# KiCad board Panel3-copy.kicad_pcb (continued)
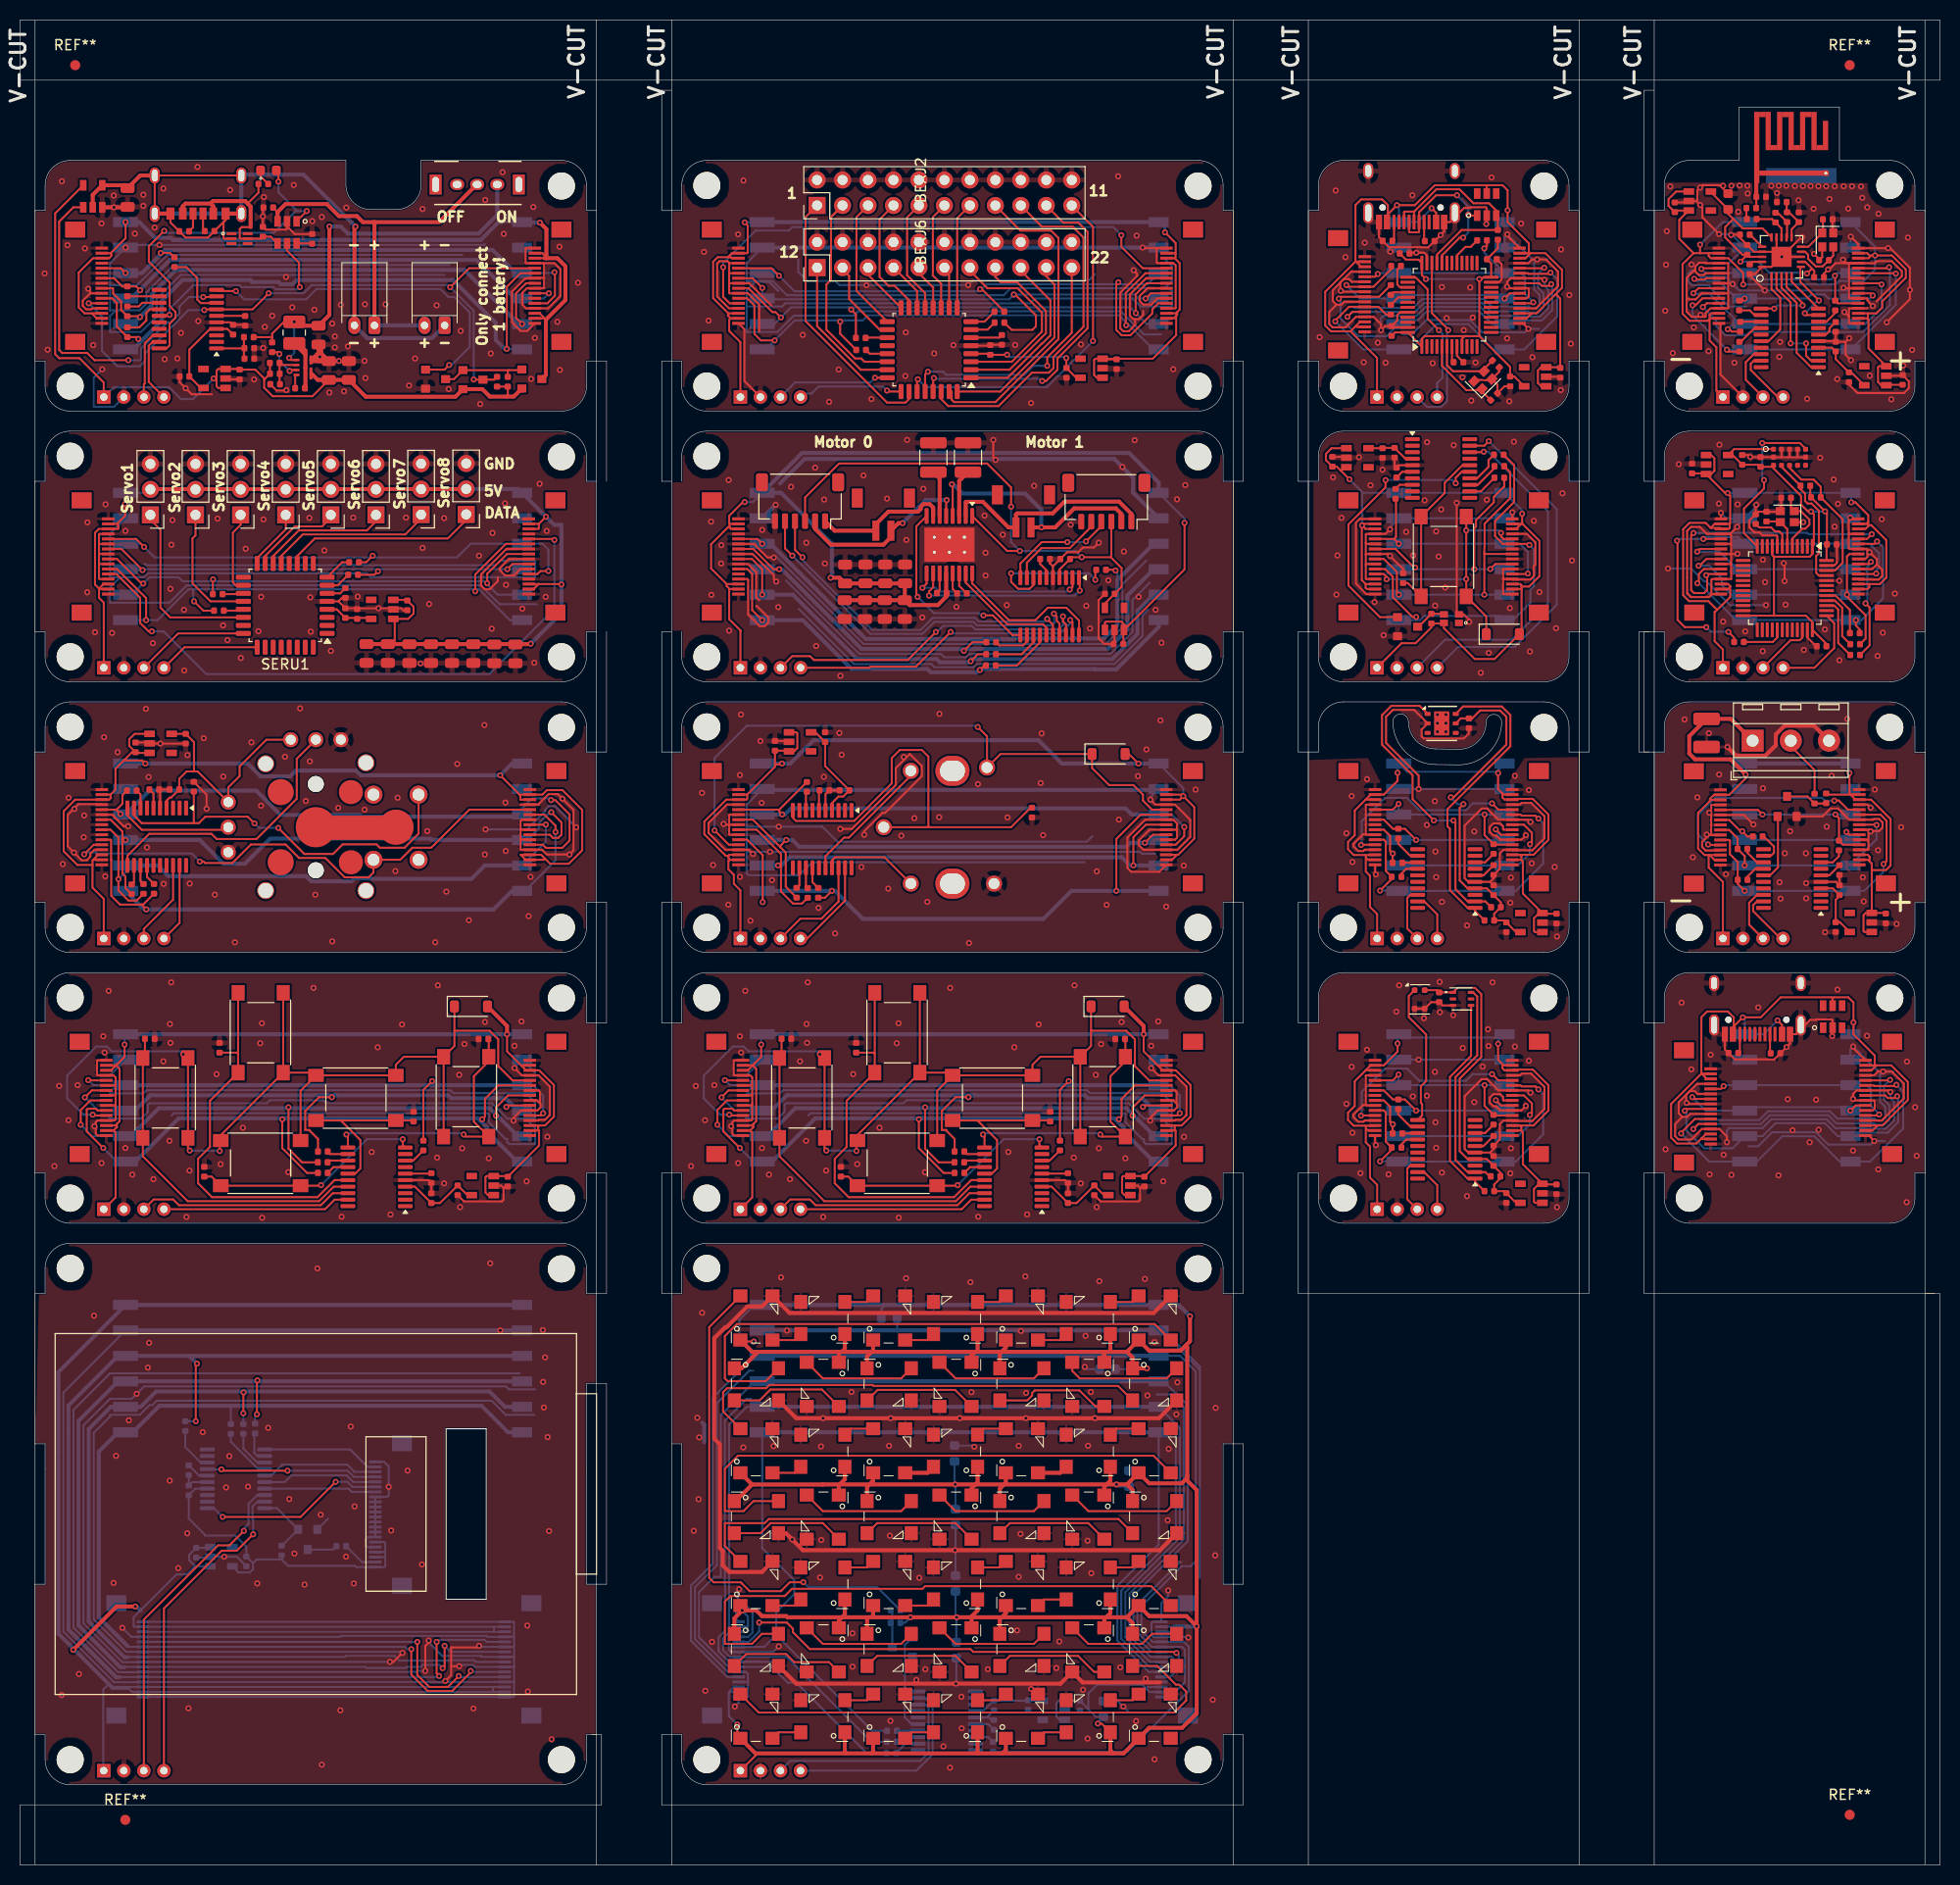
[diagram p0: board, top side]
## Placement (name value [footprint] x y rotation side) (continued)
MATD4  WS2812B  [LED_WS2812B_PLCC4_5.0x5.0mm_P3.2mm]  93.31 54.55 90 top
MATD5  WS2812B  [LED_WS2812B_PLCC4_5.0x5.0mm_P3.2mm]  99.93 54.55 0 top
MATD6  WS2812B  [LED_WS2812B_PLCC4_5.0x5.0mm_P3.2mm]  106.55 54.55 90 top
MATD7  WS2812B  [LED_WS2812B_PLCC4_5.0x5.0mm_P3.2mm]  113.17 54.55 0 top
MATD8  WS2812B  [LED_WS2812B_PLCC4_5.0x5.0mm_P3.2mm]  73.45 47.93 270 top
MATD9  WS2812B  [LED_WS2812B_PLCC4_5.0x5.0mm_P3.2mm]  80.07 47.93 180 top
MATD10  WS2812B  [LED_WS2812B_PLCC4_5.0x5.0mm_P3.2mm]  86.69 47.93 270 top
MATD11  WS2812B  [LED_WS2812B_PLCC4_5.0x5.0mm_P3.2mm]  93.31 47.93 180 top
MATD12  WS2812B  [LED_WS2812B_PLCC4_5.0x5.0mm_P3.2mm]  99.93 47.93 270 top
MATD13  WS2812B  [LED_WS2812B_PLCC4_5.0x5.0mm_P3.2mm]  106.55 47.93 180 top
MATD14  WS2812B  [LED_WS2812B_PLCC4_5.0x5.0mm_P3.2mm]  113.17 47.93 270 top
MATD15  WS2812B  [LED_WS2812B_PLCC4_5.0x5.0mm_P3.2mm]  73.45 41.31 0 top
MATD16  WS2812B  [LED_WS2812B_PLCC4_5.0x5.0mm_P3.2mm]  80.07 41.31 90 top
MATD17  WS2812B  [LED_WS2812B_PLCC4_5.0x5.0mm_P3.2mm]  86.69 41.31 0 top
MATD18  WS2812B  [LED_WS2812B_PLCC4_5.0x5.0mm_P3.2mm]  93.31 41.31 90 top
MATD19  WS2812B  [LED_WS2812B_PLCC4_5.0x5.0mm_P3.2mm]  99.93 41.31 0 top
MATD20  WS2812B  [LED_WS2812B_PLCC4_5.0x5.0mm_P3.2mm]  106.55 41.31 90 top
MATD21  WS2812B  [LED_WS2812B_PLCC4_5.0x5.0mm_P3.2mm]  113.17 41.31 0 top
MATD22  WS2812B  [LED_WS2812B_PLCC4_5.0x5.0mm_P3.2mm]  73.45 34.69 270 top
MATD23  WS2812B  [LED_WS2812B_PLCC4_5.0x5.0mm_P3.2mm]  80.07 34.69 180 top
MATD24  WS2812B  [LED_WS2812B_PLCC4_5.0x5.0mm_P3.2mm]  86.69 34.69 270 top
MATD25  WS2812B  [LED_WS2812B_PLCC4_5.0x5.0mm_P3.2mm]  93.31 34.69 180 top
MATD26  WS2812B  [LED_WS2812B_PLCC4_5.0x5.0mm_P3.2mm]  99.93 34.69 270 top
MATD27  WS2812B  [LED_WS2812B_PLCC4_5.0x5.0mm_P3.2mm]  106.55 34.69 180 top
MATD28  WS2812B  [LED_WS2812B_PLCC4_5.0x5.0mm_P3.2mm]  113.17 34.69 270 top
MATD29  WS2812B  [LED_WS2812B_PLCC4_5.0x5.0mm_P3.2mm]  73.45 28.07 0 top
MATD30  WS2812B  [LED_WS2812B_PLCC4_5.0x5.0mm_P3.2mm]  80.07 28.07 90 top
MATD31  WS2812B  [LED_WS2812B_PLCC4_5.0x5.0mm_P3.2mm]  86.69 28.07 0 top
MATD32  WS2812B  [LED_WS2812B_PLCC4_5.0x5.0mm_P3.2mm]  93.31 28.07 90 top
MATD33  WS2812B  [LED_WS2812B_PLCC4_5.0x5.0mm_P3.2mm]  99.93 28.07 0 top
MATD34  WS2812B  [LED_WS2812B_PLCC4_5.0x5.0mm_P3.2mm]  106.55 28.07 90 top
MATD35  WS2812B  [LED_WS2812B_PLCC4_5.0x5.0mm_P3.2mm]  113.17 28.07 0 top
MATD36  WS2812B  [LED_WS2812B_PLCC4_5.0x5.0mm_P3.2mm]  73.45 21.45 270 top
MATD37  WS2812B  [LED_WS2812B_PLCC4_5.0x5.0mm_P3.2mm]  80.07 21.45 180 top
MATD38  WS2812B  [LED_WS2812B_PLCC4_5.0x5.0mm_P3.2mm]  86.69 21.45 270 top
MATD39  WS2812B  [LED_WS2812B_PLCC4_5.0x5.0mm_P3.2mm]  93.31 21.45 180 top
MATD40  WS2812B  [LED_WS2812B_PLCC4_5.0x5.0mm_P3.2mm]  99.93 21.45 270 top
MATD41  WS2812B  [LED_WS2812B_PLCC4_5.0x5.0mm_P3.2mm]  106.55 21.45 180 top
MATD42  WS2812B  [LED_WS2812B_PLCC4_5.0x5.0mm_P3.2mm]  113.17 21.45 270 top
MATD43  WS2812B  [LED_WS2812B_PLCC4_5.0x5.0mm_P3.2mm]  73.45 14.83 0 top
MATD44  WS2812B  [LED_WS2812B_PLCC4_5.0x5.0mm_P3.2mm]  80.07 14.83 90 top
MATD45  WS2812B  [LED_WS2812B_PLCC4_5.0x5.0mm_P3.2mm]  86.69 14.83 0 top
MATD46  WS2812B  [LED_WS2812B_PLCC4_5.0x5.0mm_P3.2mm]  93.31 14.83 90 top
MATD47  WS2812B  [LED_WS2812B_PLCC4_5.0x5.0mm_P3.2mm]  99.93 14.83 0 top
MATD48  WS2812B  [LED_WS2812B_PLCC4_5.0x5.0mm_P3.2mm]  106.55 14.83 90 top
MATD49  WS2812B  [LED_WS2812B_PLCC4_5.0x5.0mm_P3.2mm]  113.17 14.83 0 top
MATH1  M2.5MountingHole  [MountingHole_2.7mm_M2.5_ISO7380]  68.5 10.5 0 top
MATH2  M2.5MountingHole  [MountingHole_2.7mm_M2.5_ISO7380]  117.5 59.45 0 top
MATH3  M2.5MountingHole  [MountingHole_2.7mm_M2.5_ISO7380]  68.5 59.5 0 top
MATH4  M2.5MountingHole  [MountingHole_2.7mm_M2.5_ISO7380]  117.5 10.5 0 top
MATIGNORE1  LedMatrix v0.5  [BoardText]  107.84 8.61 0 top
MATJ1  -  [01x06_2.54mm_Male]  74.1 49.5 180 bottom
MATJ2  -  [01x06_2.54mm_Female]  113.4 49.5 0 bottom
MATJ3  swd_4pin  [swd_header]  71.85 9.4 90 top
MATJ4  -  [FFC_connector_16p_hinge_lock]  115 20.5 0 bottom
MATJ5  -  [FFC_connector_16p_hinge_lock]  70.52 20.5 180 bottom
MATQ1  N_MOSFET  [SOT-23]  88 21.72 270 bottom
MATR1  75R  [R_0402_1005Metric]  97.06 11.78 180 bottom
MATR2  1K  [R_0402_1005Metric]  87.33 24.15 90 bottom
MATR3  75R  [R_0402_1005Metric]  86.9 11.16 90 bottom
MATR4  1K  [R_0402_1005Metric]  87.31 25.4 270 bottom
MATR5  75R  [R_0402_1005Metric]  86.94 12.28 90 bottom
MATR6  75R  [R_0402_1005Metric]  86.96 13.38 90 bottom
MATU1  ME6211C33M5G-N  [SOT-23-5]  103.1 15.43 270 bottom
MATU2  STM32G030F6P6  [TSSOP-20_4.4x6.5mm_P0.65mm]  92.44 14.38 180 bottom
MOTC1  0.1uF  [C_0402_1005Metric]  102.23 130.25 90 top
MOTC2  4.7uF  [C_0402_1005Metric]  104.25 130.25 270 top
MOTC4  22uF_25V  [C_0805_2012Metric]  82.25 125.2 0 top
MOTC5  0.1uF_50V  [C_0402_1005Metric]  91.94 126.85 270 top
MOTC6  2.2uF  [C_0402_1005Metric]  93.95 126.83 90 top
MOTC8  4.7uF  [C_0402_1005Metric]  109.56 121.78 270 top
MOTC9  4.7uF  [C_0402_1005Metric]  108.69 126.78 270 top
MOTC10  22uF_25V  [C_0805_2012Metric]  84.28 125.2 0 top
MOTC11  22uF_25V  [C_0805_2012Metric]  86.25 125.2 0 top
MOTC12  22uF_25V  [C_0805_2012Metric]  88.25 125.2 0 top
MOTC13  22uF_25V  [C_0805_2012Metric]  88.28 128.76 180 top
MOTC14  22uF_25V  [C_0805_2012Metric]  86.3 128.76 180 top
MOTC15  22uF_25V  [C_0805_2012Metric]  84.33 128.76 180 top
MOTC16  22uF_25V  [C_0805_2012Metric]  82.3 128.75 180 top
MOTH1  M2.5MountingHole  [MountingHole_2.7mm_M2.5_ISO7380]  68.5 120.5 0 top
MOTH2  M2.5MountingHole  [MountingHole_2.7mm_M2.5_ISO7380]  117.5 140.45 0 top
MOTH3  M2.5MountingHole  [MountingHole_2.7mm_M2.5_ISO7380]  68.5 140.5 0 top
MOTH4  M2.5MountingHole  [MountingHole_2.7mm_M2.5_ISO7380]  117.5 120.5 0 top
MOTIGNORE1  Motor v0.5  [BoardText]  110.39 118.49 0 top
MOTIGNORE2  Motor 0  [BoardText]  82.1 141.05 180 bottom
MOTIGNORE3  Motor 1  [BoardText]  103.24 140.38 180 bottom
MOTJ1  -  [FFC_connector_16p_hinge_lock]  70.5 130.5 180 top
MOTJ2  SM06B-SRSS-TB  [JST_SH_SM06B-SRSS-TB_1x06-1MP_P1.00mm_Horizontal]  77.8 136.03 180 top
MOTJ4  swd_4pin  [swd_header]  71.85 119.4 90 top
MOTJ5  -  [01x06_2.54mm_Male]  74.1 130.5 180 bottom
MOTJ6  SM06B-SRSS-TB  [JST_SH_SM06B-SRSS-TB_1x06-1MP_P1.00mm_Horizontal]  108.35 135.97 180 top
MOTJ7  -  [01x06_2.54mm_Female]  113.4 130.5 0 bottom
MOTJ8  -  [S2B-ZR-SM4A-TF]  100.09 135 180 top
MOTJ9  -  [S2B-ZR-SM4A-TF]  86.11 134.68 180 top
MOTR1  75R  [R_0402_1005Metric]  107.83 129.18 90 top
MOTR2  75R  [R_0402_1005Metric]  96.83 119.62 270 top
MOTR3  75R  [R_0402_1005Metric]  96.87 121.95 270 top
MOTR4  75R  [R_0402_1005Metric]  96.86 120.75 270 top
MOTR5  0.2R  [R_1210_3225Metric]  94.55 140.38 270 top
MOTR6  0.2R  [R_1210_3225Metric]  91.1 140.38 270 top
MOTU1  DRV8833PWP  [HTSSOP-16-1EP_4.4x5mm_P0.65mm_EP3.4x5mm_Mask2.46x2.31mm_ThermalVias]  92.7 131.68 270 top
MOTU2  ME6211C33M5G-N  [SOT-23-5]  109.16 124.28 0 top
MOTU3  STM32G030F6P6  [TSSOP-20_4.4x6.5mm_P0.65mm]  102.7 125.53 270 top
POWH1  M2.5MountingHole  [MountingHole_2.7mm_M2.5_ISO7380]  166.5 66.5 0 top
POWH2  M2.5MountingHole  [MountingHole_2.7mm_M2.5_ISO7380]  186.5 86.45 0 top
POWIC1  USBLC6-4SC6  [SOT-23-6]  180.79 84.6 0 top
POWIGNORE1  USBPower v0.5  [BoardText]  181.55 64.26 0 top
POWJ1  -  [01x06_2.54mm_Male]  172.1 76.5 180 bottom
POWJ2  USB_C_connector_16P  [USB_C_Receptacle_16P]  173.28 85.2 90 top
POWJ3  -  [01x06_2.54mm_Female]  182.4 76.5 0 bottom
POWJ5  -  [FFC_connector_16p_hinge_lock]  167.47 75.65 180 top
POWJ6  -  [FFC_connector_16p_hinge_lock]  185.22 76.5 0 top
POWR1  5.1K  [R_0402_1005Metric]  175.1 80.95 90 top
POWR2  5.1K  [R_0402_1005Metric]  170.9 80.97 90 top
REF**  -  [Fiducial_1mm_Mask2mm]  10.5 4.5 0 top
REF**#2  -  [Fiducial_1mm_Mask2mm]  182.5 179.5 0 top
REF**#3  -  [Fiducial_1mm_Mask2mm]  5.5 179.5 0 top
REF**#4  -  [Fiducial_1mm_Mask2mm]  182.5 5 0 top
SCRC1  0.1uF  [C_0402_1005Metric]  16.83 39.37 180 bottom
SCRC2  4.7uF  [C_0402_1005Metric]  16.83 37.35 0 bottom
SCRC8  4.7uF  [C_0402_1005Metric]  17.57 31.14 180 bottom
SCRC9  4.7uF  [C_0402_1005Metric]  22.57 30.28 180 bottom
SCRH1  M2.5MountingHole  [MountingHole_2.7mm_M2.5_ISO7380]  5 10.5 0 top
SCRH2  M2.5MountingHole  [MountingHole_2.7mm_M2.5_ISO7380]  54 59.45 0 top
SCRH3  M2.5MountingHole  [MountingHole_2.7mm_M2.5_ISO7380]  5 59.5 0 top
SCRH4  M2.5MountingHole  [MountingHole_2.7mm_M2.5_ISO7380]  54 10.5 0 top
SCRIGNORE1  Screen v0.5  [BoardText]  45.73 8.88 0 top
SCRJ1  -  [01x06_2.54mm_Male]  10.6 49.5 180 bottom
SCRJ2  -  [01x06_2.54mm_Female]  49.9 49.5 0 bottom
SCRJ3  FFC_connector_22p_dual_sided  [FFC_connector_22p_hinge_lock]  36.76 34.96 270 bottom
SCRJ4  swd_4pin  [swd_header]  8.35 9.4 90 top
SCRJ5  -  [FFC_connector_16p_hinge_lock]  49.5 20.5 0 bottom
SCRJ6  -  [FFC_connector_16p_hinge_lock]  11.1 20.5 180 bottom
SCRQ2  N_MOSFET  [SOT-23]  28.69 32.46 0 bottom
SCRR1  75R  [R_0402_1005Metric]  16.48 43.78 0 bottom
SCRR2  75R  [R_0402_1005Metric]  21.02 43.48 0 bottom
SCRR3  75R  [R_0402_1005Metric]  23.45 43.53 0 bottom
SCRR4  75R  [R_0402_1005Metric]  22.27 43.48 0 bottom
SCRR5  10R  [R_0402_1005Metric]  32.04 31.79 270 bottom
SCRR7  10K  [R_0402_1005Metric]  26.09 31.36 180 bottom
SCRU1  ScreenOutline  [2InchScreen]  29.5 35 180 top
SCRU2  ME6211C33M5G-N  [SOT-23-5]  20.07 30.74 90 bottom
SCRU3  STM32G030F6P6  [TSSOP-20_4.4x6.5mm_P0.65mm]  21.54 38.51 0 bottom
SERC3  4.7uF  [C_0402_1005Metric]  32.45 124.85 180 top
SERC4  0.1uF  [C_0402_1005Metric]  32.45 126.86 0 top
SERC5  22uF_25V  [C_0805_2012Metric]  34.56 120.83 0 top
SERC6  22uF_25V  [C_0805_2012Metric]  36.69 120.83 0 top
SERC7  22uF_25V  [C_0805_2012Metric]  38.84 120.81 0 top
SERC8  4.7uF  [C_0402_1005Metric]  38.62 125.62 0 top
SERC9  4.7uF  [C_0402_1005Metric]  33.62 124.76 180 top
SERC10  22uF_25V  [C_0805_2012Metric]  40.98 120.81 0 top
SERC11  22uF_25V  [C_0805_2012Metric]  43.09 120.81 0 top
SERC12  22uF_25V  [C_0805_2012Metric]  45.21 120.81 0 top
SERC13  22uF_25V  [C_0805_2012Metric]  47.31 120.79 0 top
SERC14  22uF_25V  [C_0805_2012Metric]  49.41 120.79 0 top
SERH1  M2.5MountingHole  [MountingHole_2.7mm_M2.5_ISO7380]  5 120.5 0 top
SERH2  M2.5MountingHole  [MountingHole_2.7mm_M2.5_ISO7380]  54 140.45 0 top
SERH3  M2.5MountingHole  [MountingHole_2.7mm_M2.5_ISO7380]  5 140.5 0 top
SERH4  M2.5MountingHole  [MountingHole_2.7mm_M2.5_ISO7380]  54 120.5 0 top
SERIGNORE1  Servo v0.5  [BoardText]  46.4 118.67 0 top
SERIGNORE2  GND  [BoardText]  47.8 138.88 180 bottom
SERIGNORE3  5V  [BoardText]  47.19 136.18 180 bottom
SERIGNORE4  DATA  [BoardText]  48.07 133.99 180 bottom
SERIGNORE5  Servo1  [BoardText]  10.85 137.33 90 bottom
SERIGNORE6  Servo2  [BoardText]  16.3 137.38 270 bottom
SERIGNORE7  Servo3  [BoardText]  20.7 137.45 270 bottom
SERIGNORE8  Servo4  [BoardText]  25.2 137.54 270 bottom
SERIGNORE9  Servo5  [BoardText]  29.68 137.57 270 bottom
SERIGNORE10  Servo6  [BoardText]  34.2 137.67 270 bottom
SERIGNORE11  Servo7  [BoardText]  38.73 137.72 270 bottom
SERIGNORE12  Servo8  [BoardText]  43.12 137.84 270 bottom
SERJ1  -  [01x06_2.54mm_Male]  10.6 130.5 180 bottom
SERJ2  Conn_01x03_Pin  [PinHeader_1x03_P2.54mm_Vertical]  13 137.19 180 top
SERJ3  -  [01x06_2.54mm_Female]  49.9 130.5 0 bottom
SERJ4  swd_4pin  [swd_header]  8.35 119.4 90 top
SERJ5  Conn_01x03_Pin  [PinHeader_1x03_P2.54mm_Vertical]  17.5 137.19 180 top
SERJ6  Conn_01x03_Pin  [PinHeader_1x03_P2.54mm_Vertical]  22 137.19 180 top
SERJ7  Conn_01x03_Pin  [PinHeader_1x03_P2.54mm_Vertical]  26.5 137.19 180 top
SERJ8  Conn_01x03_Pin  [PinHeader_1x03_P2.54mm_Vertical]  31 137.19 180 top
SERJ9  Conn_01x03_Pin  [PinHeader_1x03_P2.54mm_Vertical]  35.5 137.19 180 top
SERJ10  Conn_01x03_Pin  [PinHeader_1x03_P2.54mm_Vertical]  40 137.22 180 top
SERJ11  Conn_01x03_Pin  [PinHeader_1x03_P2.54mm_Vertical]  44.5 137.24 180 top
SERJ12  -  [FFC_connector_16p_hinge_lock]  7.64 130.5 180 top
SERJ13  -  [FFC_connector_16p_hinge_lock]  51.9 130.5 0 top
SERR5  75R  [R_0402_1005Metric]  33.22 128.68 90 top
SERR6  75R  [R_0402_1005Metric]  33.31 129.93 90 top
SERR7  75R  [R_0402_1005Metric]  19.71 126.75 270 top
SERR8  75R  [R_0402_1005Metric]  19.84 125.1 270 top
SERU1  STM32G030K6T6  [LQFP-32_7x7mm_P0.8mm]  26.45 125.62 180 top
SERU2  ME6211C33M5G-N  [SOT-23-5]  36.12 125.22 90 top
TMPC1  0.1uF  [C_0402_1005Metric]  146.98 99.22 0 top
TMPC2  4.7uF  [C_0402_1005Metric]  146.98 97.22 180 top
TMPC3  4.7uF  [C_0402_1005Metric]  144.53 113.87 0 top
TMPC8  4.7uF  [C_0402_1005Metric]  153.25 94.39 0 top
TMPC9  4.7uF  [C_0402_1005Metric]  148.25 93.52 0 top
TMPH1  M2.5MountingHole  [MountingHole_2.7mm_M2.5_ISO7380]  132 93.5 0 top
TMPH2  M2.5MountingHole  [MountingHole_2.7mm_M2.5_ISO7380]  152 113.45 0 top
TMPIGNORE1  Temp v0.5  [BoardText]  148.68 91.83 0 top
TMPJ1  -  [01x06_2.54mm_Male]  137.6 103.5 180 bottom
TMPJ2  -  [01x06_2.54mm_Female]  147.9 103.5 0 bottom
TMPJ3  -  [FFC_connector_16p_hinge_lock]  150 103.5 0 top
TMPJ4  swd_4pin  [swd_header]  135.36 92.4 90 top
TMPJ5  -  [FFC_connector_16p_hinge_lock]  134 103.5 180 top
TMPR1  75R  [R_0402_1005Metric]  146.97 101.33 180 top
TMPR2  75R  [R_0402_1005Metric]  137.3 98.55 270 top
TMPR3  75R  [R_0402_1005Metric]  137.47 102.86 180 top
TMPR4  75R  [R_0402_1005Metric]  137.39 99.95 270 top
TMPR5  10K  [R_0402_1005Metric]  147.22 95.53 270 top
TMPR6  10K  [R_0402_1005Metric]  146.55 94.2 270 top
TMPU1  HDC1080  [Texas_PWSON-N6]  141.8 113.85 0 top
TMPU2  ME6211C33M5G-N  [SOT-23-5]  150.75 93.98 90 top
TMPU3  STM32G030F6P6  [TSSOP-20_4.4x6.5mm_P0.65mm]  142.27 98.38 180 top
USBC1  4.7uF  [C_0402_1005Metric]  136.8 152.99 180 top
USBC2  4.7uF  [C_0402_1005Metric]  138.1 160.72 90 top
USBC4  0.1uF  [C_0402_1005Metric]  143.47 149.88 270 top
USBC5  4.7uF  [C_0402_1005Metric]  146.8 160.15 90 top
USBC6  12pF  [C_0402_1005Metric]  147.03 146.43 315 top
USBC7  12pF  [C_0402_1005Metric]  147.2 149.7 225 top
USBC8  4.7uF  [C_0402_1005Metric]  153.62 148.82 0 top
USBC9  4.7uF  [C_0402_1005Metric]  148.62 147.96 0 top
USBH1  M2.5MountingHole  [MountingHole_2.7mm_M2.5_ISO7380]  132 147.5 0 top
USBH2  M2.5MountingHole  [MountingHole_2.7mm_M2.5_ISO7380]  152 167.45 0 top
USBIC1  USBLC6-4SC6  [SOT-23-6]  146.29 165.6 0 top
USBIGNORE1  USB v0.5  [BoardText]  149.47 145.25 0 top
USBJ1  -  [01x06_2.54mm_Male]  137.6 157.5 180 bottom
USBJ2  USB_C_connector_16P  [USB_C_Receptacle_16P]  138.78 166.2 90 top
USBJ3  -  [01x06_2.54mm_Female]  147.9 157.5 0 bottom
USBJ4  swd_4pin  [swd_header]  135.35 146.4 90 top
USBJ5  -  [FFC_connector_16p_hinge_lock]  132.97 156.65 180 top
USBJ6  -  [FFC_connector_16p_hinge_lock]  150.72 157.5 0 top
USBR1  5.1K  [R_0402_1005Metric]  140.6 161.95 90 top
USBR2  5.1K  [R_0402_1005Metric]  136.4 161.97 90 top
USBR4  75R  [R_0402_1005Metric]  136.72 155.12 0 top
USBR5  75R  [R_0402_1005Metric]  145.82 162.03 90 top
USBR6  75R  [R_0402_1005Metric]  136.72 157.09 180 top
USBR7  75R  [R_0402_1005Metric]  137.25 159.47 270 top
USBR12  1.5K  [R_0402_1005Metric]  147.4 162.57 0 top
USBU1  STM32F103C8T6  [LQFP-48_7x7mm_P0.5mm]  142.57 155.6 90 top
USBU2  ME6211C33M5G-N  [SOT-23-5]  151.12 148.43 90 top
USBY2  Crystal_16M_small  [Crystal_SMD_2016-4Pin_2.0x1.6mm]  145.92 148.09 45 top
WIRAE1  Antenna_MIFA_Cypress  [Antenna_cypress_MIFA]  172.97 167.72 0 top
WIRC1  0.1uF  [C_0402_1005Metric]  181.1 153.4 0 top
WIRC2  4.7uF  [C_0402_1005Metric]  181.1 151.44 180 top
WIRC3  33nF  [C_0402_1005Metric]  172.53 159.15 0 top
WIRC4  2.2nF  [C_0402_1005Metric]  175.72 165.85 270 top
WIRC5  12pF  [C_0402_1005Metric]  180.31 164.12 90 top
WIRC6  12pF  [C_0402_1005Metric]  179.94 160.05 270 top
WIRC7  1pF  [C_0402_1005Metric]  173.66 166.38 90 top
WIRC8  4.7uF  [C_0402_1005Metric]  187.78 148.11 180 top
WIRC9  4.7uF  [C_0402_1005Metric]  179.44 158.35 90 top
WIRC10  1.5pF  [C_0402_1005Metric]  172.68 165.25 90 top
WIRC11  4.7uF  [C_0402_1005Metric]  165.05 165.32 180 top
WIRC12  4.7uF  [C_0402_1005Metric]  182.43 148.38 0 top
WIRC13  22uF_10V  [C_0603_1608Metric]  170.38 165.9 180 top
WIRC14  4.7pF  [C_0402_1005Metric]  177.43 164.34 180 top
WIRC15  4.7uF  [C_0402_1005Metric]  172.28 161.07 180 top
WIRH1  M2.5MountingHole  [MountingHole_2.7mm_M2.5_ISO7380]  166.5 147.5 0 top
WIRH2  M2.5MountingHole  [MountingHole_2.7mm_M2.5_ISO7380]  186.5 167.5 0 top
WIRIGNORE1  Wireless v0.5  [BoardText]  182.6 145.35 0 top
WIRJ1  -  [01x06_2.54mm_Male]  172.1 157.5 180 bottom
WIRJ2  -  [01x06_2.54mm_Female]  182.4 157.5 0 bottom
WIRJ3  -  [FFC_connector_16p_hinge_lock]  184.5 157.5 0 top
WIRJ4  swd_4pin  [swd_header]  169.85 146.4 90 top
WIRJ5  -  [FFC_connector_16p_hinge_lock]  168.3 157.5 180 top
WIRL1  8.2nH  [C_0402_1005Metric]  175.1 164.3 0 top
WIRL3  3.9nH  [C_0402_1005Metric]  172.72 164.15 90 top
WIRL4  2.7nH  [C_0402_1005Metric]  176.25 164.34 0 top
WIRR1  120R  [R_0402_1005Metric]  181.05 155.53 180 top
WIRR2  120R  [R_0402_1005Metric]  171.5 151.43 0 top
WIRR3  120R  [R_0402_1005Metric]  171.47 155.53 180 top
WIRR4  120R  [R_0402_1005Metric]  171.57 153.41 0 top
WIRR6  22K  [R_0402_1005Metric]  172.04 162.6 90 top
WIRU1  ME6211C33M5G-N  [SOT-23-5]  167.55 165.95 270 top
WIRU2  ME6211C33M5G-N  [SOT-23-5]  185.05 148.53 90 top
WIRU3  STM32G030F6P6  [TSSOP-20_4.4x6.5mm_P0.65mm]  176.53 152.3 180 top
WIRU4  NRF24L01  [QFN-20-1EP_4x4mm_P0.5mm_EP2.5x2.5mm]  175.7 160.39 90 top
WIRY2  Crystal_16M_small  [Crystal_SMD_2016-4Pin_2.0x1.6mm]  180.31 162.07 270 top

## Library data of the parts
BATC1-BATC3 BATC8 BATC9 BEXC3 BEXC4 BEXC8 BEXC9 BLKC1 BLKC2 BLKC8 BLKC9 BTSC1 BTSC2 BTSC8 BTSC9 BUTC1 BUTC2 BUTC8 BUTC9 DIAC1 DIAC2 DIAC8 DIAC9 DISC3-DISC9 DISC11 JOYC1 JOYC2 JOYC8 JOYC9 LEDC1 LEDC2 LEDC4 LEDC8 LEDC9 LIGC1-LIGC3 LIGC8 LIGC9 MATC1-MATC4 MATC6-MATC8 MATC11-MATC13 MATC15 MATC16 MOTC1 MOTC2 MOTC4-MOTC6 MOTC8-MOTC16 SCRC1 SCRC2 SCRC8 SCRC9 SERC3-SERC14 TMPC1-TMPC3 TMPC8 TMPC9 USBC1 USBC2 USBC4-USBC9 WIRC1-WIRC15 = -: Description: Unpolarized capacitor; ki_fp_filters: C_*
BATC5-BATC7 BATC10 BATC11 BATC13 BATC14 = -: ki_fp_filters: C_*
BATD2 = -: Manufacturer: ROHM Semiconductor; Manufacturer_Part_Number: SML-D12D1WT86; Link: https://www.mouser.co.uk/ProductDetail/ROHM-Semiconductor/SML-D12D1WT86?qs=sGAEpiMZZMuI1aKsGLfKZMwqxtP7M3NqO%252Bw%252BgEYQIRE%3D; USD_price_for_10: 0.14; USD_price_for_100: 0.06; ki_fp_filters: LED* LED_SMD:* LED_THT:*
BATH1 BATH2 BEXH1-BEXH4 BLKH1-BLKH4 BTSH1-BTSH4 BUTH1 BUTH2 DIAH1-DIAH4 DISH1 DISH2 JOYH1-JOYH4 LEDH1 LEDH2 LIGH1 LIGH2 MATH1-MATH4 MOTH1-MOTH4 POWH1 POWH2 SCRH1-SCRH4 SERH1-SERH4 TMPH1 TMPH2 USBH1 USBH2 WIRH1 WIRH2 = -: Description: Mounting Hole without connection; ki_fp_filters: MountingHole*
BATIC1 = -: Manufacturer: STMicroelectronics; Link: https://lcsc.com/product-detail/Diodes-ESD_STMicroelectronics_USBLC6-2P6_USBLC6-2P6_C15999.html; USD_price_for_10: 0.1; USD_price_for_100: 0.085
BATJ2 POWJ2 USBJ2 = -: ki_fp_filters: USB*C*Receptacle*
BATJ4 BEXJ4 BLKJ4 BTSJ4 BUTJ4 DIAJ4 DISJ4 JOYJ4 LEDJ4 LIGJ4 MATJ3 MOTJ4 SCRJ4 SERJ4 TMPJ4 USBJ4 WIRJ4 = -: Description: Generic connector, single row, 01x04, script generated (kicad-library-utils/schlib/autogen/connector/); ki_fp_filters: Connector*:*_1x??_*
BATJ5 BATJ8 = -: Manufacturer: JST; Manufacturer_Part_Number: S2B-PH-K-S; Link: https://lcsc.com/product-detail/Wire-To-Board-Wire-To-Wire-Connector_JST-Sales-America_S2B-PH-K-S-LF-SN_JST-Sales-America-S2B-PH-K-S-LF-SN_C173752.html; USD_price_for_10: 0.036; USD_price_for_100: 0.026
BATJ6 BATJ7 BEXJ1 BEXJ3 BLKJ1 BLKJ2 BTSJ1 BTSJ2 BUTJ2 BUTJ5 DIAJ3 DIAJ5 DISJ1 DISJ2 JOYJ1 JOYJ3 LEDJ1 LEDJ3 LIGJ1 LIGJ2 MATJ1 MATJ2 MOTJ2 MOTJ5-MOTJ9 POWJ1 POWJ3 SCRJ1 SCRJ2 SERJ1 SERJ3 TMPJ1 TMPJ2 USBJ1 USBJ3 WIRJ1 WIRJ2 = -: Description: Generic connector, single row, 01x06, script generated (kicad-library-utils/schlib/autogen/connector/); ki_fp_filters: Connector*:*_1x??_*
BATL1 WIRL3 = -: ki_fp_filters: Choke_* *Coil* Inductor_* L_*
BATQ2 BATQ6 = -: ki_fp_filters: SOT?23*
BATQ5 BUTQ1 LEDQ3 MATQ1 SCRQ2 = -: Description: N-MOSFET transistor, drain/gate/source
BATR1-BATR4 BEXR5-BEXR8 BLKR1-BLKR9 BTSR1-BTSR9 BUTR1-BUTR6 DIAR1-DIAR5 DISR5-DISR10 JOYR1-JOYR4 JOYR6 LEDR1-LEDR5 LEDR7 LIGR1-LIGR6 MATR1-MATR6 MOTR1-MOTR6 POWR1 POWR2 SCRR1-SCRR5 SCRR7 SERR5-SERR8 TMPR1-TMPR6 USBR1 USBR2 USBR4-USBR7 USBR12 WIRR1-WIRR4 WIRR6 = -: Description: Resistor; ki_fp_filters: R_*
BATR9-BATR20 = -: ki_fp_filters: R_*
BATU3 BLKU3 BTSU3 BUTU3 DIAU3 JOYU3 LEDU3 LIGU3 MATU2 MOTU3 SCRU3 TMPU3 WIRU3 = -: Datasheet: https://www.st.com/resource/en/datasheet/stm32g030f6.pdf; Description: STMicroelectronics Arm Cortex-M0+ MCU, 32KB flash, 8KB RAM, 64 MHz, 2.0-3.6V, 17 GPIO, TSSOP20; ki_fp_filters: TSSOP*4.4x6.5mm*P0.65mm*
BATU6 = -: Datasheet: http://www.ti.com/lit/ds/symlink/ina180.pdf; ki_fp_filters: SOT?23*
BATU8 = -: Datasheet: http://toppwr.com/uploadfile/file/20230304/640302a47b738.pdf; Description: Constant-current/constant-voltage linear charger for single cell lithium-ion batteries with 2.9V Trickle Charge, 4.5V to 6.5V VDD, -40 to +85 degree Celsius, TSOT-23-5; ki_fp_filters: TSOT?23*
BEXJ2 BEXJ6 = -: Description: Generic connector, double row, 02x11, odd/even pin numbering scheme (row 1 odd numbers, row 2 even numbers), script generated (kicad-library-utils/schlib/autogen/connector/); ki_fp_filters: Connector*:*_2x??_*
BEXU1 SERU1 = -: Datasheet: https://www.st.com/resource/en/datasheet/stm32g030k6.pdf; Description: STMicroelectronics Arm Cortex-M0+ MCU, 32KB flash, 8KB RAM, 64 MHz, 2.0-3.6V, 29 GPIO, LQFP32; ki_fp_filters: LQFP*7x7mm*P0.8mm*
BLKD2 BTSD2 BUTD3 DIAD2 = -: Datasheet: https://www.vishay.com/docs/85748/1n4148w.pdf; Description: 75V 0.15A Fast Switching Diode, SOD-123; Sim.Device: D; Sim.Pins: 1=K 2=A; ki_fp_filters: D*SOD?123*
BLKSW1-BLKSW4 BLKSW6 BTSSW1-BTSSW4 BTSSW6 BUTSW2 = -: Description: Push button switch, generic, two pins
BUTD2 = -: Description: RGB LED with integrated controller; ki_fp_filters: LED*WS2812*PLCC*5.0x5.0mm*P3.2mm*
DIASW7 = -: Description: Rotary encoder, dual channel, incremental quadrate outputs, with switch; ki_fp_filters: RotaryEncoder*Switch*
DISU3 USBU1 = -: Datasheet: https://www.st.com/resource/en/datasheet/stm32f103c8.pdf; Description: STMicroelectronics Arm Cortex-M3 MCU, 64KB flash, 20KB RAM, 72 MHz, 2.0-3.6V, 37 GPIO, LQFP48; ki_fp_filters: LQFP*7x7mm*P0.5mm*
DISY1 USBY2 WIRY2 = -: ki_fp_filters: Crystal*
LEDJ2 = -: ki_fp_filters: TerminalBlock*:*
LIGU1 = -: Description: ambient light sensor, i2c interface, 0.01 to 64k lux, 2.4-3.6V; ki_fp_filters: Lite*On*LTR*303ALS*01*
LIGU4 = -: ki_fp_filters: Lite*On*LTR*303ALS*01*
MATD1-MATD49 = -: ki_fp_filters: LED*WS2812*PLCC*5.0x5.0mm*P3.2mm*
MOTU1 = -: Datasheet: http://www.ti.com/lit/ds/symlink/drv8833.pdf; Description: Dual H-Bridge Motor Driver, HTSSOP-16; ki_fp_filters: HTSSOP-16-1EP*4.4x5mm*P0.65mm*
POWIC1 USBIC1 = -: Manufacturer: STMicroelectronics; Manufacturer_Part_Number: USBLC6-2P6; Link: https://lcsc.com/product-detail/Diodes-ESD_STMicroelectronics_USBLC6-2P6_USBLC6-2P6_C15999.html; USD_price_for_10: 0.1; USD_price_for_100: 0.085
SERJ2 SERJ5-SERJ11 = -: Description: Generic connector, single row, 01x03, script generated; ki_fp_filters: Connector*:*_1x??_*
TMPU1 = -: Datasheet: http://www.ti.com/lit/ds/symlink/hdc1080.pdf; Description: Low Power,High Accuracy Digital Humidity Sensor with Temperature Sensor; ki_fp_filters: Package*SON:Texas*PWSON*N6*
WIRAE1 = -: Description: Antenna
WIRL1 WIRL4 = -: Description: Inductor; ki_fp_filters: Choke_* *Coil* Inductor_* L_*
WIRU4 = -: Datasheet: http://www.nordicsemi.com/eng/content/download/2730/34105/file/nRF24L01_Product_Specification_v2_0.pdf; Description: Ultra low power 2.4GHz RF Transceiver, QFN-20; ki_fp_filters: QFN*4x4*0.5mm*

## Footprints (pads in the part's own frame, mm; a bottom-side part is the same pattern mirrored in y, then rotated)
01x06_2.54mm_Female
  rect 2x1 smd: 1(0.175,6.35) 2(0.175,3.81) 3(0.175,1.27) 4(0.175,-1.27) 5(0.175,-3.81) 6(0.175,-6.35)
01x06_2.54mm_Male
  rect 2.5x1 smd: 1(0.075,6.35) 2(0.075,3.81) 3(0.075,1.27) 4(0.075,-1.27) 5(0.075,-3.81) 6(0.075,-6.35)
Antenna_cypress_MIFA
  rect 0.508x7.112 smd: 1(0.254,3.556)
  rect 0.635x0.508 smd: 1(0.826,6.858) 1(1.968,3.556) 1(3.111,6.858) 1(4.255,3.556) 1(5.397,6.858) 1(6.54,3.556)
  rect 0.508x3.81 smd: 1(1.397,5.207) 1(2.54,5.207) 1(3.683,5.207) 1(4.826,5.207) 1(5.969,5.207)
  rect 6.934x0.508 smd: 1(3.975,1.016)
  rect 0.508x2.921 smd: 1(7.112,4.763)
  rect 7x1.524 smd far side: 2(4.69,0.762)
  round 0.6 hole 0.3: 2(7.14,1)
C_0402_1005Metric
  rrect 0.64x0.59 smd: 1(0,0.485) 2(0,-0.485)
C_0603_1608Metric
  rrect 0.95x0.875 smd: 1(0,0.787) 2(0,-0.787)
C_0805_2012Metric
  rrect 1.4x0.975 smd: 1(0,0.938) 2(0,-0.938)
C_1210_3225Metric
  rrect 2.65x1.25 smd: 1(0,1.4) 2(0,-1.4)
Crystal_SMD_2016-4Pin_2.0x1.6mm
  rect 0.9x0.8 smd: 1(-0.7,-0.55) 2(0.7,-0.55) 3(0.7,0.55) 4(-0.7,0.55)
D_SOD-123
  rrect 0.9x1.2 smd: 1(-1.65,0) 2(1.65,0)
FFC_connector_16p_hinge_lock
  rect 2x1.6 smd: (1.5,5.6) (1.5,-5.6)
  rect 1.25x0.3 smd: 1(-1.155,-3.75) 2(-1.155,-3.25) 3(-1.155,-2.75) 4(-1.155,-2.25) 5(-1.155,-1.75) 6(-1.155,-1.25) 7(-1.155,-0.75) 8(-1.155,-0.25) 9(-1.155,0.25) 10(-1.155,0.75) 11(-1.155,1.25) 12(-1.155,1.75) 13(-1.155,2.25) 14(-1.155,2.75) 15(-1.155,3.25) 16(-1.155,3.75)
FFC_connector_22p_hinge_lock
  rect 0.3x1.25 smd: 1(-5.25,1.325) 2(-4.75,1.325) 3(-4.25,1.325) 4(-3.75,1.325) 5(-3.25,1.325) 6(-2.75,1.325) 7(-2.25,1.325) 8(-1.75,1.325) 9(-1.25,1.325) 10(-0.75,1.325) 11(-0.25,1.325) 12(0.25,1.325) 13(0.75,1.325) 14(1.25,1.325) 15(1.75,1.325) 16(2.25,1.325) 17(2.75,1.325) 18(3.25,1.325) 19(3.75,1.325) 20(4.25,1.325) 21(4.75,1.325) 22(5.25,1.325)
  rect 1.6x2 smd: A(-7.1,-1.33) B(7.1,-1.33)
Fiducial_1mm_Mask2mm
  round 1 smd: (0,0)
HTSSOP-16-1EP_4.4x5mm_P0.65mm_EP3.4x5mm_Mask2.46x2.31mm_ThermalVias
  rrect 1.98x0.93 smd: (0,0.58) (0,-0.58)
  rect 2.46x2.31 smd: (0,0)
  rrect 1.575x0.4 smd: 1(-2.862,2.275) 2(-2.862,1.625) 3(-2.862,0.975) 4(-2.862,0.325) 5(-2.862,-0.325) 6(-2.862,-0.975) 7(-2.862,-1.625) 8(-2.862,-2.275) 9(2.862,-2.275) 10(2.862,-1.625) 11(2.862,-0.975) 12(2.862,-0.325) 13(2.862,0.325) 14(2.862,0.975) 15(2.862,1.625) 16(2.862,2.275)
  round 0.5 hole 0.3: 17(-0.75,1.5) 17(-0.75,0) 17(-0.75,-1.5) 17(0.75,1.5) 17(0.75,0) 17(0.75,-1.5)
  rect 2x3.5 smd far side: 17(0,0)
  rect 3.4x5 smd: 17(0,0)
Joystick
  round 1.7 hole 1.5: (-8.325,5) (-8.325,-5) (4.325,5) (4.425,-5)
  round 1.6 hole 1.6 unplated: (-6.3,0) (2.3,0)
  round 2.6 smd: (-5.5,3.5) (1.5,3.5)
  round 2.4 smd: (-5.5,-3.5) (1.5,-3.5)
  round 4 smd: (-2,0)
  round 3.5 smd: (-2,-8)
  round 1.5 hole 1: 1(6.73,2.5) 2(6.73,0) 3(6.73,-2.5) 4(0.5,8.73) 5(-2,8.73) 6(-4.5,8.73)
  round 1.8 hole 1.2: A(-5.25,-5.75) B(-5.25,-10.25) C(1.25,-5.75) D(1.25,-10.25)
JST_PH_S2B-PH-K_1x02_P2.00mm_Horizontal
  rrect 1.2x1.75 hole 0.75: 1(-1,0)
  oval 1.2x1.75 hole 0.75: 2(1,0)
JST_SH_SM06B-SRSS-TB_1x06-1MP_P1.00mm_Horizontal
  rrect 0.6x1.55 smd: 1(-2.5,2) 2(-1.5,2) 3(-0.5,2) 4(0.5,2) 5(1.5,2) 6(2.5,2)
  rrect 1.2x1.8 smd: MP(-3.8,-1.875) MP(3.8,-1.875)
L_1008_2520Metric
  rrect 1.25x2.2 smd: 1(-1.075,0) 2(1.075,0)
LED_SML-D12D1WT86
  rrect 0.95x0.875 smd: 1(0,0.787) 2(0,-0.787)
LED_WS2812B_PLCC4_5.0x5.0mm_P3.2mm
  rect 1.4x1.3 smd: 1(-1.6,-2.2) 2(1.6,-2.2) 3(1.6,2.2) 4(-1.6,2.2)
LGA-4
  rrect 0.56x0.56 smd: 1(-0.5,0.92) 2(-0.5,-0.92) 3(0.5,-0.92) 4(0.5,0.92)
LQFP-32_7x7mm_P0.8mm
  rrect 1.5x0.5 smd: 1(-4.175,2.8) 2(-4.175,2) 3(-4.175,1.2) 4(-4.175,0.4) 5(-4.175,-0.4) 6(-4.175,-1.2) 7(-4.175,-2) 8(-4.175,-2.8) 17(4.175,-2.8) 18(4.175,-2) 19(4.175,-1.2) 20(4.175,-0.4) 21(4.175,0.4) 22(4.175,1.2) 23(4.175,2) 24(4.175,2.8)
  rrect 0.5x1.5 smd: 9(-2.8,-4.175) 10(-2,-4.175) 11(-1.2,-4.175) 12(-0.4,-4.175) 13(0.4,-4.175) 14(1.2,-4.175) 15(2,-4.175) 16(2.8,-4.175) 25(2.8,4.175) 26(2,4.175) 27(1.2,4.175) 28(0.4,4.175) 29(-0.4,4.175) 30(-1.2,4.175) 31(-2,4.175) 32(-2.8,4.175)
LQFP-48_7x7mm_P0.5mm
  rrect 1.475x0.3 smd: 1(-4.162,2.75) 2(-4.162,2.25) 3(-4.162,1.75) 4(-4.162,1.25) 5(-4.162,0.75) 6(-4.162,0.25) 7(-4.162,-0.25) 8(-4.162,-0.75) 9(-4.162,-1.25) 10(-4.162,-1.75) 11(-4.162,-2.25) 12(-4.162,-2.75) 25(4.162,-2.75) 26(4.162,-2.25) 27(4.162,-1.75) 28(4.162,-1.25) 29(4.162,-0.75) 30(4.162,-0.25) 31(4.162,0.25) 32(4.162,0.75) 33(4.162,1.25) 34(4.162,1.75) 35(4.162,2.25) 36(4.162,2.75)
  rrect 0.3x1.475 smd: 13(-2.75,-4.162) 14(-2.25,-4.162) 15(-1.75,-4.162) 16(-1.25,-4.162) 17(-0.75,-4.162) 18(-0.25,-4.162) 19(0.25,-4.162) 20(0.75,-4.162) 21(1.25,-4.162) 22(1.75,-4.162) 23(2.25,-4.162) 24(2.75,-4.162) 37(2.75,4.162) 38(2.25,4.162) 39(1.75,4.162) 40(1.25,4.162) 41(0.75,4.162) 42(0.25,4.162) 43(-0.25,4.162) 44(-0.75,4.162) 45(-1.25,4.162) 46(-1.75,4.162) 47(-2.25,4.162) 48(-2.75,4.162)
LTR-381RGB
  rrect 0.65x0.3 smd: 1(-0.9,0.65) 2(-0.9,0) 3(-0.9,-0.65) 4(0.9,-0.65) 5(0.9,0) 6(0.9,0.65)
MountingHole_2.7mm_M2.5_ISO7380
  round 2.7 hole 2.7 unplated: (0,0)
PinHeader_1x03_P2.54mm_Vertical
  rect 1.7x1.7 hole 1: 1(0,2.54)
  oval 1.7x1.7 hole 1: 2(0,0) 3(0,-2.54)
PinHeader_2x11_P2.54mm_Vertical
  rect 1.7x1.7 hole 1: 1(-1.25,12.69)
  oval 1.7x1.7 hole 1: 2(1.29,12.69) 3(-1.25,10.15) 4(1.29,10.15) 5(-1.25,7.61) 6(1.29,7.61) 7(-1.25,5.07) 8(1.29,5.07) 9(-1.25,2.53) 10(1.29,2.53) 11(-1.25,-0.01) 12(1.29,-0.01) 13(-1.25,-2.55) 14(1.29,-2.55) 15(-1.25,-5.09) 16(1.29,-5.09) 17(-1.25,-7.63) 18(1.29,-7.63) 19(-1.25,-10.17) 20(1.29,-10.17) 21(-1.25,-12.71) 22(1.29,-12.71)
QFN-20-1EP_4x4mm_P0.5mm_EP2.5x2.5mm
  rrect 0.8x0.8 smd: (-0.51,0.46) (-0.48,-0.5) (0.52,0.47) (0.53,-0.49)
  rrect 0.825x0.25 smd: 1(-1.938,1) 2(-1.938,0.5) 3(-1.938,0) 4(-1.938,-0.5) 5(-1.938,-1) 11(1.938,-1) 12(1.938,-0.5) 13(1.938,0) 14(1.938,0.5) 15(1.938,1)
  rrect 0.25x0.825 smd: 6(-1,-1.938) 7(-0.5,-1.938) 8(0,-1.938) 9(0.5,-1.938) 10(1,-1.938) 16(1,1.938) 17(0.5,1.938) 18(0,1.938) 19(-0.5,1.938) 20(-1,1.938)
  rect 2x2 smd: 21(0,0)
R_0402_1005Metric
  rrect 0.64x0.59 smd: 1(0,0.485) 2(0,-0.485)
R_0805_2012Metric
  rrect 1.4x0.975 smd: 1(0,0.938) 2(0,-0.938)
R_1210_3225Metric
  rrect 1.125x2.65 smd: 1(-1.462,0) 2(1.462,0)
RotaryEncoderEC12D
  oval 3x3.4 hole 2.05x2.5: 1(-5.625,0) 2(5.625,0)
  round 1.6 hole 1.1: A(-5.625,4.15) B(5.625,4.15) C(-5.625,-4.15) S1(5.95,-3.45) S2(0,6.85)
S2B-ZR-SM4A-TF
  rect 1.1x1.9 smd: 0(-2.6,-1.65) 0(2.6,-1.65)
  rect 0.7x2 smd: 1(-0.75,1.6) 2(0.75,1.6)
side_spst_switch
  rect 1.2x2 hole 0.7x1.5: (-4.15,0) (4.15,0)
  oval 1.4x1.1 hole 0.9x0.7: 1(-2,0) 2(0,0) 3(2,0)
SOT-23
  rect 0.8x0.9 smd: 1(-0.95,-1) 2(0.95,-1) 3(0,1)
SOT-23-5
  rect 0.65x1.06 smd: 1(-0.95,-1.1) 2(0,-1.1) 3(0.95,-1.1) 4(0.95,1.1) 5(-0.95,1.1)
SOT-23-6
  rect 0.65x1.06 smd: 1(-0.95,-1.1) 2(0,-1.1) 3(0.95,-1.1) 4(0.95,1.1) 5(0,1.1) 6(-0.95,1.1)
SW_SPST_PTS645
  rect 1.55x1.3 smd: 1(-3.98,2.25) 1(3.98,2.25) 2(-3.98,-2.25) 2(3.98,-2.25)
swd_header
  rect 1.35x1.35 hole 0.75: 1(0,0)
  oval 1.35x1.35 hole 0.75: 2(0,-2) 3(0,-4) 4(0,-6)
TerminalBlock_03_P3.81mm_Horizontal
  rect 2.2x2.2 hole 1.2: 1(-3.8,0)
  round 2.2 hole 1.2: 2(0.01,0) 3(3.82,0)
Texas_PWSON-N6
  rrect 0.6x1 smd: (-0.4,0.65) (-0.4,-0.65) (0.4,0.65) (0.4,-0.65)
  rrect 0.6x0.4 smd: 1(-1.4,0.95) 2(-1.4,0) 3(-1.4,-0.95) 4(1.4,-0.95) 5(1.4,0) 6(1.4,0.95)
  rect 1.5x2.4 smd: 7(0,0)
TPS61230A
  rrect 0.25x0.6 smd: 1(-0.75,0.7) 2(-0.25,0.7) 3(0.25,0.7) 4(0.75,0.7)
  rrect 2.4x0.25 smd: 5(0,-0.2)
  rrect 0.9x0.3 smd: 6(0.75,-0.74)
  rrect 1.2x0.3 smd: 7(-0.6,-0.74)
TSSOP-20_4.4x6.5mm_P0.65mm
  rrect 1.475x0.4 smd: 1(-2.862,2.925) 2(-2.862,2.275) 3(-2.862,1.625) 4(-2.862,0.975) 5(-2.862,0.325) 6(-2.862,-0.325) 7(-2.862,-0.975) 8(-2.862,-1.625) 9(-2.862,-2.275) 10(-2.862,-2.925) 11(2.862,-2.925) 12(2.862,-2.275) 13(2.862,-1.625) 14(2.862,-0.975) 15(2.862,-0.325) 16(2.862,0.325) 17(2.862,0.975) 18(2.862,1.625) 19(2.862,2.275) 20(2.862,2.925)
USB_C_Receptacle_16P
  round 0.65 hole 0.65 unplated: (-0.9,2.87) (-0.9,-2.91)
  rect 1.45x0.6 smd: A1(-2.345,-3.27) A4(-2.345,-2.47) A9(-2.345,2.43) A12(-2.345,3.23) B1(-2.345,3.23) B4(-2.345,2.43) B9(-2.345,-2.47) B12(-2.345,-3.27)
  rect 1.45x0.3 smd: A5(-2.345,-1.27) A6(-2.345,-0.27) A7(-2.345,0.23) A8(-2.345,1.23) B5(-2.345,1.73) B6(-2.345,0.73) B7(-2.345,-0.77) B8(-2.345,-1.77)
  oval 2.1x1 hole 1.7x0.6: S1(-1.43,4.3) S1(-1.43,-4.34)
  oval 1.6x1 hole 1.2x0.6: S1(2.75,4.3) S1(2.75,-4.34)
